# KiCad board ovc5.kicad_pcb (continued)
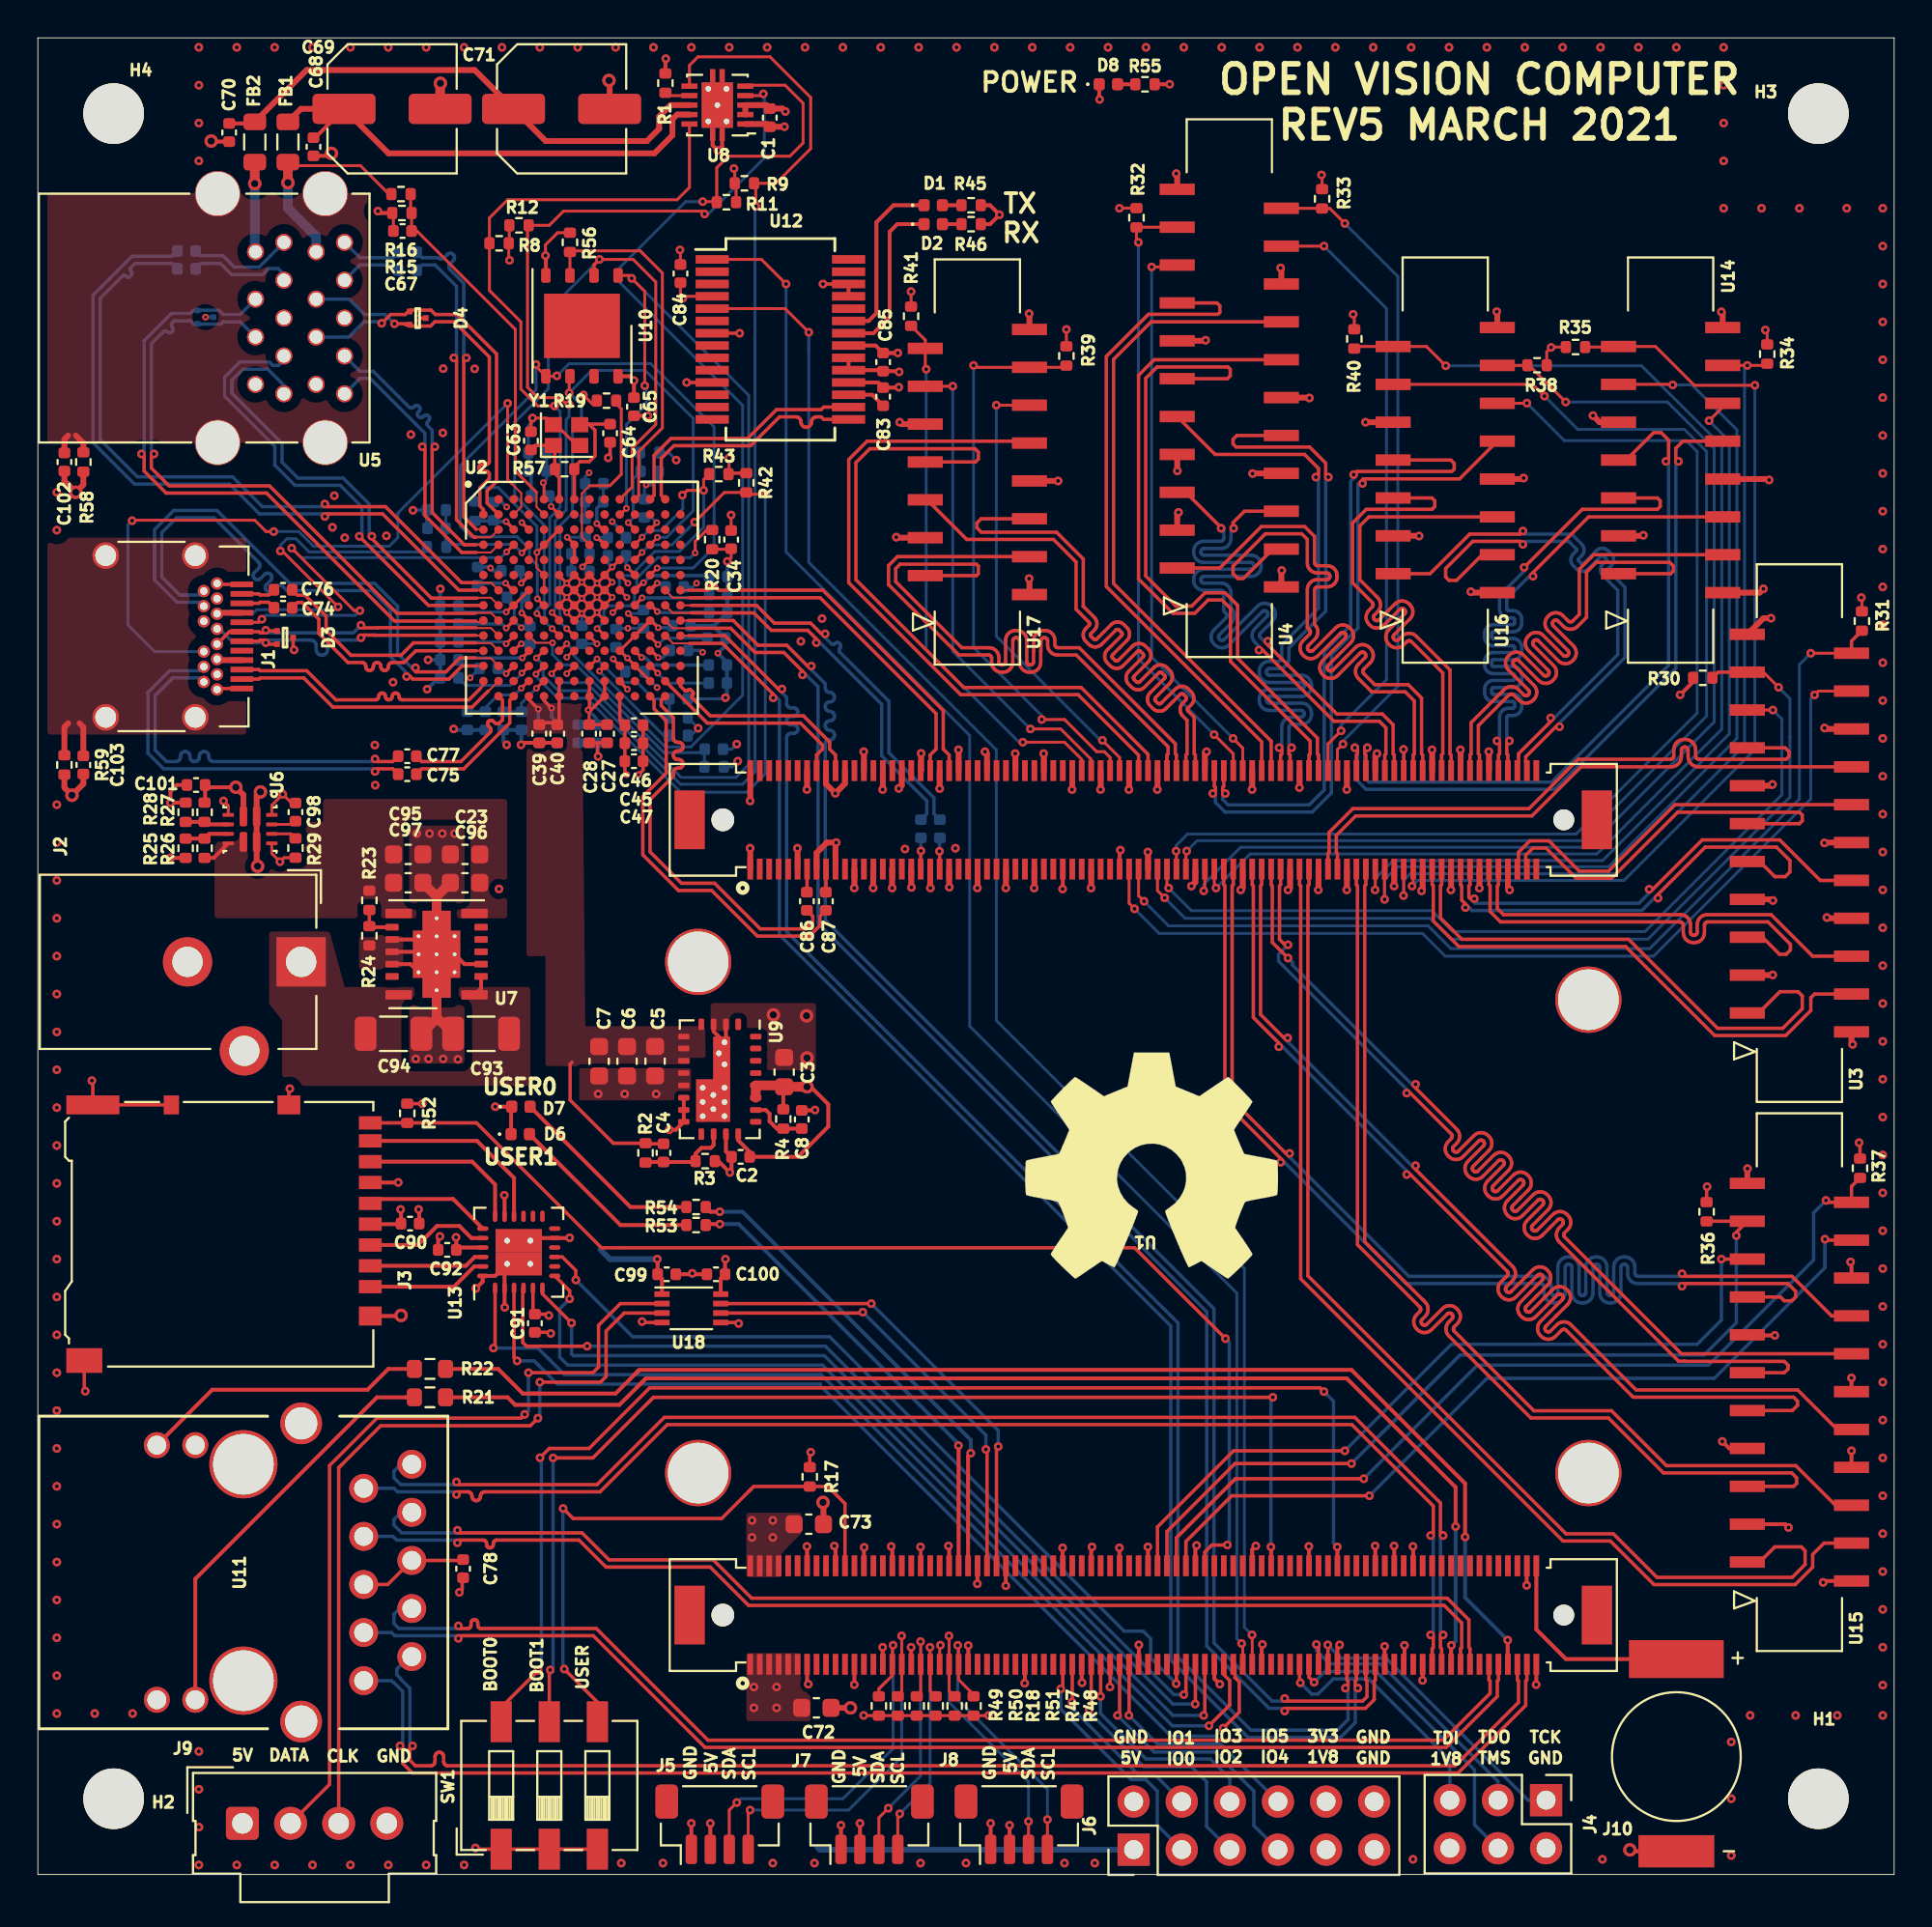
[diagram p0: board, top side]
## Footprints (pads in the part's own frame, mm; a bottom-side part is the same pattern mirrored in y, then rotated)
AMPHENOL_SFW15S
  rect 0.6x1.85 smd: 1(-7,-2.75) 2(-6,2.75) 3(-5,-2.75) 4(-4,2.75) 5(-3,-2.75) 6(-2,2.75) 7(-1,-2.75) 8(0,2.75) 9(1,-2.75) 10(2,2.75) 11(3,-2.75) 12(4,2.75) 13(5,-2.75) 14(6,2.75) 15(7,-2.75)
AMPHENOL_SFW22S
  rect 0.6x1.85 smd: 1(-10.5,-2.75) 2(-9.5,2.75) 3(-8.5,-2.75) 4(-7.5,2.75) 5(-6.5,-2.75) 6(-5.5,2.75) 7(-4.5,-2.75) 8(-3.5,2.75) 9(-2.5,-2.75) 10(-1.5,2.75) 11(-0.5,-2.75) 12(0.5,2.75) 13(1.5,-2.75) 14(2.5,2.75) 15(3.5,-2.75) 16(4.5,2.75) 17(5.5,-2.75) 18(6.5,2.75) 19(7.5,-2.75) 20(8.5,2.75) 21(9.5,-2.75) 22(10.5,2.75)
ARJ11C-MBSAS-A-BA-7MU2
  round 1.524 hole 1: 1(5.715,6.35) 2(4.445,8.89) 3(3.175,6.35) 4(1.905,8.89) 5(0.635,6.35) 6(-0.635,8.89) 7(-1.905,6.35) 8(-3.175,8.89) 9(-4.445,6.35) 10(-5.715,8.89)
  round 1.372 hole 1: 11(6.725,-2.54) 12(6.725,-4.57) 13(-6.725,-2.54) 14(-6.725,-4.57)
  round 3.6 hole 3.2: MNT(-5.715,0) MNT(5.715,0)
  round 2.2 hole 1.7: SHLD(-7.875,3.05) SHLD(7.875,3.05)
BarrelJack_CUI_PJ-102AH_Horizontal
  rect 2.6x2.6 hole 1.6: 1(0,0)
  round 2.6 hole 1.6: 2(0,-6) 3(4.7,-3)
BGA-192_14x14_12.0x12.0mm
  round 0.45 smd: A2(-4.4,5.2) A3(-3.6,5.2) A4(-2.8,5.2) A5(-2,5.2) A6(-1.2,5.2) A7(-0.4,5.2) A8(0.4,5.2) A9(1.2,5.2) A10(2,5.2) A11(2.8,5.2) A12(3.6,5.2) A13(4.4,5.2) B1(-5.2,4.4) B2(-4.4,4.4) B3(-3.6,4.4) B4(-2.8,4.4) B5(-2,4.4) B6(-1.2,4.4) B7(-0.4,4.4) B8(0.4,4.4) B9(1.2,4.4) B10(2,4.4) B11(2.8,4.4) B12(3.6,4.4) B13(4.4,4.4) B14(5.2,4.4) C1(-5.2,3.6) C2(-4.4,3.6) C3(-3.6,3.6) C4(-2.8,3.6) C5(-2,3.6) C6(-1.2,3.6) C7(-0.4,3.6) C8(0.4,3.6) C9(1.2,3.6) C10(2,3.6) C11(2.8,3.6) C12(3.6,3.6) C13(4.4,3.6) C14(5.2,3.6) D1(-5.2,2.8) D2(-4.4,2.8) D3(-3.6,2.8) D4(-2.8,2.8) D5(-2,2.8) D6(-1.2,2.8) D7(-0.4,2.8) D8(0.4,2.8) D9(1.2,2.8) D10(2,2.8) D11(2.8,2.8) D12(3.6,2.8) D13(4.4,2.8) D14(5.2,2.8) E1(-5.2,2) E2(-4.4,2) E3(-3.6,2) E4(-2.8,2) E5(-2,2) E6(-1.2,2) E7(-0.4,2) E8(0.4,2) E9(1.2,2) E10(2,2) E11(2.8,2) E12(3.6,2) E13(4.4,2) E14(5.2,2) F1(-5.2,1.2) F2(-4.4,1.2) F3(-3.6,1.2) F4(-2.8,1.2) F5(-2,1.2) F6(-1.2,1.2) F7(-0.4,1.2) F8(0.4,1.2) F9(1.2,1.2) F10(2,1.2) F11(2.8,1.2) F12(3.6,1.2) F13(4.4,1.2) F14(5.2,1.2) G1(-5.2,0.4) G2(-4.4,0.4) G3(-3.6,0.4) G4(-2.8,0.4) G5(-2,0.4) G6(-1.2,0.4) G7(-0.4,0.4) G8(0.4,0.4) G9(1.2,0.4) G10(2,0.4) G11(2.8,0.4) G12(3.6,0.4) G13(4.4,0.4) G14(5.2,0.4) H1(-5.2,-0.4) H2(-4.4,-0.4) H3(-3.6,-0.4) H4(-2.8,-0.4) H5(-2,-0.4) H6(-1.2,-0.4) H7(-0.4,-0.4) H8(0.4,-0.4) H9(1.2,-0.4) H10(2,-0.4) H11(2.8,-0.4) H12(3.6,-0.4) H13(4.4,-0.4) H14(5.2,-0.4) J1(-5.2,-1.2) J2(-4.4,-1.2) J3(-3.6,-1.2) J4(-2.8,-1.2) J5(-2,-1.2) J6(-1.2,-1.2) J7(-0.4,-1.2) J8(0.4,-1.2) J9(1.2,-1.2) J10(2,-1.2) J11(2.8,-1.2) J12(3.6,-1.2) J13(4.4,-1.2) J14(5.2,-1.2) K1(-5.2,-2) K2(-4.4,-2) K3(-3.6,-2) K4(-2.8,-2) K5(-2,-2) K6(-1.2,-2) K7(-0.4,-2) K8(0.4,-2) K9(1.2,-2) K10(2,-2) K11(2.8,-2) K12(3.6,-2) K13(4.4,-2) K14(5.2,-2) L1(-5.2,-2.8) L2(-4.4,-2.8) L3(-3.6,-2.8) L4(-2.8,-2.8) L5(-2,-2.8) L6(-1.2,-2.8) L7(-0.4,-2.8) L8(0.4,-2.8) L9(1.2,-2.8) L10(2,-2.8) L11(2.8,-2.8) L12(3.6,-2.8) L13(4.4,-2.8) L14(5.2,-2.8) M1(-5.2,-3.6) M2(-4.4,-3.6) M3(-3.6,-3.6) M4(-2.8,-3.6) M5(-2,-3.6) M6(-1.2,-3.6) M7(-0.4,-3.6) M8(0.4,-3.6) M9(1.2,-3.6) M10(2,-3.6) M11(2.8,-3.6) M12(3.6,-3.6) M13(4.4,-3.6) M14(5.2,-3.6) N1(-5.2,-4.4) N2(-4.4,-4.4) N3(-3.6,-4.4) N4(-2.8,-4.4) N5(-2,-4.4) N6(-1.2,-4.4) N7(-0.4,-4.4) N8(0.4,-4.4) N9(1.2,-4.4) N10(2,-4.4) N11(2.8,-4.4) N12(3.6,-4.4) N13(4.4,-4.4) N14(5.2,-4.4) P2(-4.4,-5.2) P3(-3.6,-5.2) P4(-2.8,-5.2) P5(-2,-5.2) P6(-1.2,-5.2) P7(-0.4,-5.2) P8(0.4,-5.2) P9(1.2,-5.2) P10(2,-5.2) P11(2.8,-5.2) P12(3.6,-5.2) P13(4.4,-5.2)
C_0402_1005Metric
  rrect 0.56x0.62 smd: 1(-0.48,0) 2(0.48,0)
C_0603_1608Metric
  rrect 0.9x0.95 smd: 1(-0.775,0) 2(0.775,0)
C_1206_3216Metric
  rrect 1.15x1.8 smd: 1(-1.475,0) 2(1.475,0)
C_Elec_6.3x7.7
  rrect 3.325x1.6 smd: 1(-2.538,0) 2(2.538,0)
Converter_DCDC_Intel_QFN-24_4x6mm_P0.65mm_ThermalVias
  rect 1.9x0.9 smd: (-1.3,0.1)
  rect 0.9x0.57 smd: (-1.2,0.1)
  rect 0.7x0.9 smd: (0.65,-0.35) (1.65,-0.35)
  rect 2.25x1.8 smd: (1.125,-0.35)
  rrect 0.6x0.3 smd: 1(-2.9,0.975) 2(-2.9,0.325) 3(-2.9,-0.325) 4(-2.9,-0.975) 13(2.9,-0.975) 14(2.9,-0.325) 15(2.9,0.325) 16(2.9,0.975)
  rrect 0.3x0.6 smd: 5(-2.25,-1.9) 6(-1.625,-1.9) 7(-0.975,-1.9) 8(-0.325,-1.9) 9(0.325,-1.9) 10(0.975,-1.9) 11(1.625,-1.9) 12(2.25,-1.9) 17(2.25,1.9) 18(1.625,1.9) 19(0.975,1.9) 20(0.325,1.9) 21(-0.325,1.9) 22(-0.975,1.9) 23(-1.625,1.9) 24(-2.25,1.9)
  round 0.6 hole 0.3: 25(-1.95,0.25) 25(-1.37,-0.05) 25(-0.79,0.25) 25(0.45,0.25) 25(0.45,-0.9) 25(0.83,-0.34) 25(1.2,0.25) 25(1.2,-0.9) 25(1.58,-0.34) 25(1.95,0.25) 25(1.95,-0.9)
  custom 4.5x1.8 smd: 25(1.125,-0.35)
Crystal_SMD_2016-4Pin_2.0x1.6mm
  rect 0.9x0.8 smd: 1(-0.7,-0.55) 2(0.7,-0.55) 3(0.7,0.55) 4(-0.7,0.55)
ELNA_DSK-3R3H224U-HL
  rect 4x1.7 smd: 1(0,-5)
  rect 5x2 smd: 2(0,5.15)
JST_SH_BM04B-SRSS-TB_1x04-1MP_P1.00mm_Vertical
  rrect 0.6x1.55 smd: 1(-1.5,-1.325) 2(-0.5,-1.325) 3(0.5,-1.325) 4(1.5,-1.325)
  rrect 1.2x1.8 smd: MP(-2.8,1.2) MP(2.8,1.2)
L_0805_2012Metric
  rrect 0.875x1.2 smd: 1(-1.062,0) 2(1.062,0)
LED_0402_1005Metric
  rrect 0.59x0.64 smd: 1(-0.485,0) 2(0.485,0)
Mercury_XU5
  round 1.1 hole 1.1 unplated: (-22.2,21) (-22.2,-21)
  round 1.2 hole 1.2 unplated: (22.2,21) (22.2,-21)
  rect 0.3x1.1 smd: A1(20.75,23.6) A2(20.75,18.4) A3(20.25,23.6) A4(20.25,18.4) A5(19.75,23.6) A6(19.75,18.4) A7(19.25,23.6) A8(19.25,18.4) A9(18.75,23.6) A10(18.75,18.4) A11(18.25,23.6) A12(18.25,18.4) A13(17.75,23.6) A14(17.75,18.4) A15(17.25,23.6) A16(17.25,18.4) A17(16.75,23.6) A18(16.75,18.4) A19(16.25,23.6) A20(16.25,18.4) A21(15.75,23.6) A22(15.75,18.4) A23(15.25,23.6) A24(15.25,18.4) A25(14.75,23.6) A26(14.75,18.4) A27(14.25,23.6) A28(14.25,18.4) A29(13.75,23.6) A30(13.75,18.4) A31(13.25,23.6) A32(13.25,18.4) A33(12.75,23.6) A34(12.75,18.4) A35(12.25,23.6) A36(12.25,18.4) A37(11.75,23.6) A38(11.75,18.4) A39(11.25,23.6) A40(11.25,18.4) A41(10.75,23.6) A42(10.75,18.4) A43(10.25,23.6) A44(10.25,18.4) A45(9.75,23.6) A46(9.75,18.4) A47(9.25,23.6) A48(9.25,18.4) A49(8.75,23.6) A50(8.75,18.4) A51(8.25,23.6) A52(8.25,18.4) A53(7.75,23.6) A54(7.75,18.4) A55(7.25,23.6) A56(7.25,18.4) A57(6.75,23.6) A58(6.75,18.4) A59(6.25,23.6) A60(6.25,18.4) A61(5.75,23.6) A62(5.75,18.4) A63(5.25,23.6) A64(5.25,18.4) A65(4.75,23.6) A66(4.75,18.4) A67(4.25,23.6) A68(4.25,18.4) A69(3.75,23.6) A70(3.75,18.4) A71(3.25,23.6) A72(3.25,18.4) A73(2.75,23.6) A74(2.75,18.4) A75(2.25,23.6) A76(2.25,18.4) A77(1.75,23.6) A78(1.75,18.4) A79(1.25,23.6) A80(1.25,18.4) A81(0.75,23.6) A82(0.75,18.4) A83(0.25,23.6) A84(0.25,18.4) A85(-0.25,23.6) A86(-0.25,18.4) A87(-0.75,23.6) A88(-0.75,18.4) A89(-1.25,23.6) A90(-1.25,18.4) A91(-1.75,23.6) A92(-1.75,18.4) A93(-2.25,23.6) A94(-2.25,18.4) A95(-2.75,23.6) A96(-2.75,18.4) A97(-3.25,23.6) A98(-3.25,18.4) A99(-3.75,23.6) A100(-3.75,18.4) A101(-4.25,23.6) A102(-4.25,18.4) A103(-4.75,23.6) A104(-4.75,18.4) A105(-5.25,23.6) A106(-5.25,18.4) A107(-5.75,23.6) A108(-5.75,18.4) A109(-6.25,23.6) A110(-6.25,18.4) A111(-6.75,23.6) A112(-6.75,18.4) A113(-7.25,23.6) A114(-7.25,18.4) A115(-7.75,23.6) A116(-7.75,18.4) A117(-8.25,23.6) A118(-8.25,18.4) A119(-8.75,23.6) A120(-8.75,18.4) A121(-9.25,23.6) A122(-9.25,18.4) A123(-9.75,23.6) A124(-9.75,18.4) A125(-10.25,23.6) A126(-10.25,18.4) A127(-10.75,23.6) A128(-10.75,18.4) A129(-11.25,23.6) A130(-11.25,18.4) A131(-11.75,23.6) A132(-11.75,18.4) A133(-12.25,23.6) A134(-12.25,18.4) A135(-12.75,23.6) A136(-12.75,18.4) A137(-13.25,23.6) A138(-13.25,18.4) A139(-13.75,23.6) A140(-13.75,18.4) A141(-14.25,23.6) A142(-14.25,18.4) A143(-14.75,23.6) A144(-14.75,18.4) A145(-15.25,23.6) A146(-15.25,18.4) A147(-15.75,23.6) A148(-15.75,18.4) A149(-16.25,23.6) A150(-16.25,18.4) A151(-16.75,23.6) A152(-16.75,18.4) A153(-17.25,23.6) A154(-17.25,18.4) A155(-17.75,23.6) A156(-17.75,18.4) A157(-18.25,23.6) A158(-18.25,18.4) A159(-18.75,23.6) A160(-18.75,18.4) A161(-19.25,23.6) A162(-19.25,18.4) A163(-19.75,23.6) A164(-19.75,18.4) A165(-20.25,23.6) A166(-20.25,18.4) A167(-20.75,23.6) A168(-20.75,18.4) B1(20.75,-18.4) B2(20.75,-23.6) B3(20.25,-18.4) B4(20.25,-23.6) B5(19.75,-18.4) B6(19.75,-23.6) B7(19.25,-18.4) B8(19.25,-23.6) B9(18.75,-18.4) B10(18.75,-23.6) B11(18.25,-18.4) B12(18.25,-23.6) B13(17.75,-18.4) B14(17.75,-23.6) B15(17.25,-18.4) B16(17.25,-23.6) B17(16.75,-18.4) B18(16.75,-23.6) B19(16.25,-18.4) B20(16.25,-23.6) B21(15.75,-18.4) B22(15.75,-23.6) B23(15.25,-18.4) B24(15.25,-23.6) B25(14.75,-18.4) B26(14.75,-23.6) B27(14.25,-18.4) B28(14.25,-23.6) B29(13.75,-18.4) B30(13.75,-23.6) B31(13.25,-18.4) B32(13.25,-23.6) B33(12.75,-18.4) B34(12.75,-23.6) B35(12.25,-18.4) B36(12.25,-23.6) B37(11.75,-18.4) B38(11.75,-23.6) B39(11.25,-18.4) B40(11.25,-23.6) B41(10.75,-18.4) B42(10.75,-23.6) B43(10.25,-18.4) B44(10.25,-23.6) B45(9.75,-18.4) B46(9.75,-23.6) B47(9.25,-18.4) B48(9.25,-23.6) B49(8.75,-18.4) B50(8.75,-23.6) B51(8.25,-18.4) B52(8.25,-23.6) B53(7.75,-18.4) B54(7.75,-23.6) B55(7.25,-18.4) B56(7.25,-23.6) B57(6.75,-18.4) B58(6.75,-23.6) B59(6.25,-18.4) B60(6.25,-23.6) B61(5.75,-18.4) B62(5.75,-23.6) B63(5.25,-18.4) B64(5.25,-23.6) B65(4.75,-18.4) B66(4.75,-23.6) B67(4.25,-18.4) B68(4.25,-23.6) B69(3.75,-18.4) B70(3.75,-23.6) B71(3.25,-18.4) B72(3.25,-23.6) B73(2.75,-18.4) B74(2.75,-23.6) B75(2.25,-18.4) B76(2.25,-23.6) B77(1.75,-18.4) B78(1.75,-23.6) B79(1.25,-18.4) B80(1.25,-23.6) B81(0.75,-18.4) B82(0.75,-23.6) B83(0.25,-18.4) B84(0.25,-23.6) B85(-0.25,-18.4) B86(-0.25,-23.6) B87(-0.75,-18.4) B88(-0.75,-23.6) B89(-1.25,-18.4) B90(-1.25,-23.6) B91(-1.75,-18.4) B92(-1.75,-23.6) B93(-2.25,-18.4) B94(-2.25,-23.6) B95(-2.75,-18.4) B96(-2.75,-23.6) B97(-3.25,-18.4) B98(-3.25,-23.6) B99(-3.75,-18.4) B100(-3.75,-23.6) B101(-4.25,-18.4) B102(-4.25,-23.6) B103(-4.75,-18.4) B104(-4.75,-23.6) B105(-5.25,-18.4) B106(-5.25,-23.6) B107(-5.75,-18.4) B108(-5.75,-23.6) B109(-6.25,-18.4) B110(-6.25,-23.6) B111(-6.75,-18.4) B112(-6.75,-23.6) B113(-7.25,-18.4) B114(-7.25,-23.6) B115(-7.75,-18.4) B116(-7.75,-23.6) B117(-8.25,-18.4) B118(-8.25,-23.6) B119(-8.75,-18.4) B120(-8.75,-23.6) B121(-9.25,-18.4) B122(-9.25,-23.6) B123(-9.75,-18.4) B124(-9.75,-23.6) B125(-10.25,-18.4) B126(-10.25,-23.6) B127(-10.75,-18.4) B128(-10.75,-23.6) B129(-11.25,-18.4) B130(-11.25,-23.6) B131(-11.75,-18.4) B132(-11.75,-23.6) B133(-12.25,-18.4) B134(-12.25,-23.6) B135(-12.75,-18.4) B136(-12.75,-23.6) B137(-13.25,-18.4) B138(-13.25,-23.6) B139(-13.75,-18.4) B140(-13.75,-23.6) B141(-14.25,-18.4) B142(-14.25,-23.6) B143(-14.75,-18.4) B144(-14.75,-23.6) B145(-15.25,-18.4) B146(-15.25,-23.6) B147(-15.75,-18.4) B148(-15.75,-23.6) B149(-16.25,-18.4) B150(-16.25,-23.6) B151(-16.75,-18.4) B152(-16.75,-23.6) B153(-17.25,-18.4) B154(-17.25,-23.6) B155(-17.75,-18.4) B156(-17.75,-23.6) B157(-18.25,-18.4) B158(-18.25,-23.6) B159(-18.75,-18.4) B160(-18.75,-23.6) B161(-19.25,-18.4) B162(-19.25,-23.6) B163(-19.75,-18.4) B164(-19.75,-23.6) B165(-20.25,-18.4) B166(-20.25,-23.6) B167(-20.75,-18.4) B168(-20.75,-23.6)
  rect 1.6x3.1 smd: AM1(23.95,21) AM2(-23.95,21) BM1(23.95,-21) BM2(-23.95,-21)
  round 3.5 hole 3.2: H1(23.5,13.5) H2(-23.5,13.5) H3(23.5,-13.5) H4(-23.5,-11.5)
microSD_HC_Hirose_DM3AT-SF-PEJM5
  rect 0.7x1.2 smd: 1(2.775,7.725) 2(1.675,7.725) 3(0.575,7.725) 4(-0.525,7.725) 5(-1.625,7.725) 6(-2.725,7.725) 7(-3.825,7.725) 8(-4.925,7.725) 9(-5.875,7.725)
  rect 1x0.8 smd: 10(-6.825,-2.775)
  rect 1x1.2 smd: 11(-6.825,3.425) 11(4.325,7.725)
  rect 1x2.8 smd: 11(-6.825,-6.925)
  rect 1.3x1.9 smd: 11(6.675,-7.375)
Molex_SL_171971-0004_1x04_P2.54mm_Vertical
  rrect 1.74x1.74 hole 1.09: 1(0,0)
  round 1.74 hole 1.09: 2(2.54,0) 3(5.08,0) 4(7.62,0)
MountingHole_3.2mm_M3
  round 3.2 hole 3.2 unplated: (0,0)
PinHeader_2x03_P2.54mm_Vertical
  rect 1.7x1.7 hole 1: 1(0,0)
  oval 1.7x1.7 hole 1: 2(2.54,0) 3(0,-2.54) 4(2.54,-2.54) 5(0,-5.08) 6(2.54,-5.08)
PinHeader_2x06_P2.54mm_Vertical
  rect 1.7x1.7 hole 1: 1(0,0)
  oval 1.7x1.7 hole 1: 2(2.54,0) 3(0,-2.54) 4(2.54,-2.54) 5(0,-5.08) 6(2.54,-5.08) 7(0,-7.62) 8(2.54,-7.62) 9(0,-10.16) 10(2.54,-10.16) 11(0,-12.7) 12(2.54,-12.7)
R_0402_1005Metric
  rrect 0.54x0.64 smd: 1(-0.51,0) 2(0.51,0)
R_0603_1608Metric
  rrect 0.8x0.95 smd: 1(-0.825,0) 2(0.825,0)
SSOP-28_5.3x10.2mm_P0.65mm
  rect 1.75x0.45 smd: 1(-3.6,4.225) 2(-3.6,3.575) 3(-3.6,2.925) 4(-3.6,2.275) 5(-3.6,1.625) 6(-3.6,0.975) 7(-3.6,0.325) 8(-3.6,-0.325) 9(-3.6,-0.975) 10(-3.6,-1.625) 11(-3.6,-2.275) 12(-3.6,-2.925) 13(-3.6,-3.575) 14(-3.6,-4.225) 15(3.6,-4.225) 16(3.6,-3.575) 17(3.6,-2.925) 18(3.6,-2.275) 19(3.6,-1.625) 20(3.6,-0.975) 21(3.6,-0.325) 22(3.6,0.325) 23(3.6,0.975) 24(3.6,1.625) 25(3.6,2.275) 26(3.6,2.925) 27(3.6,3.575) 28(3.6,4.225)
SW_DIP_SPSTx03_Slide_6.7x9.18mm_W6.73mm_P2.54mm_LowProfile_JPin
  rect 2.16x1.12 smd: 1(-3.365,2.54) 2(-3.365,0) 3(-3.365,-2.54) 4(3.365,-2.54) 5(3.365,0) 6(3.365,2.54)
Texas_B3QFN-14-1EP_5x5.5mm_P0.65mm_ThermalVia
  rrect 0.95x0.65 smd: (-0.625,0.475) (-0.625,-0.475) (0.625,0.475) (0.625,-0.475)
  rrect 0.6x1.15 smd: (-0.425,1.675) (-0.425,-1.675) (0.425,1.675) (0.425,-1.675)
  rrect 1.4x0.5 smd: 1(-2,2.145) 7(-2,-2.155) 8(2,-2.155) 14(2,2.145)
  rrect 0.7x0.35 smd: 2(-2.35,1.17) 3(-2.35,0.52) 4(-2.35,-0.13) 5(-2.35,-0.78) 6(-2.35,-1.43) 9(2.35,-1.43) 10(2.35,-0.78) 11(2.35,-0.13) 12(2.35,0.52) 13(2.35,1.17)
  round 0.5 hole 0.2: 15(-0.95,0.95) 15(-0.95,0) 15(-0.95,-0.95) 15(0,1.9) 15(0,0.95) 15(0,0) 15(0,-0.95) 15(0,-1.9) 15(0.95,0.95) 15(0.95,0) 15(0.95,-0.95)
  custom 2.5x4.6 smd: 15(0,0)
Texas_VQFN-HR-12_2x2.5_Pitch0.5mm
  rrect 1.05x0.4 smd: 1(-0.675,0.35) 2(-0.675,-0.35) 7(0.675,-0.35) 8(0.675,0.35)
  rrect 0.2x0.6 smd: 3(-0.75,-1.15) 4(-0.25,-1.15) 5(0.25,-1.15) 6(0.75,-1.15) 9(0.75,1.15) 10(0.25,1.15) 11(-0.25,1.15) 12(-0.75,1.15)
TI_RTW0024B
  oval 0.6x0.24 smd: 1(-1.9,1.25) 2(-1.9,0.75) 3(-1.9,0.25) 4(-1.9,-0.25) 5(-1.9,-0.75) 6(-1.9,-1.25) 13(1.9,-1.25) 14(1.9,-0.75) 15(1.9,-0.25) 16(1.9,0.25) 17(1.9,0.75) 18(1.9,1.25)
  oval 0.24x0.6 smd: 7(-1.25,-1.9) 8(-0.75,-1.9) 9(-0.25,-1.9) 10(0.25,-1.9) 11(0.75,-1.9) 12(1.25,-1.9) 19(1.25,1.9) 20(0.75,1.9) 21(0.25,1.9) 22(-0.25,1.9) 23(-0.75,1.9) 24(-1.25,1.9)
  round 0.613 hole 0.306: 25(-0.613,0.613) 25(-0.613,-0.613) 25(0.613,0.613) 25(0.613,-0.613)
  rect 1.225x1.225 smd: 25(-0.613,0.613) 25(-0.613,-0.613) 25(0.613,0.613) 25(0.613,-0.613)
TPD2EUSB30x
  rect 0.3x0.3 smd: 1(-0.35,-0.425) 2(0.35,-0.425) 3(0,0.425)
USB3_A_Dual_Stacked
  round 0.9 hole 0.7: 1(1.29,3.5) 2(1.29,1) 3(1.29,-1) 4(1.29,-3.5) 5(2.79,-4) 6(2.79,-2) 7(2.79,0) 8(2.79,2) 9(2.79,4) 10(4.49,3.5) 11(4.49,1) 12(4.49,-1) 13(4.49,-3.5) 14(5.99,-4) 15(5.99,-2) 16(5.99,0) 17(5.99,2) 18(5.99,4)
  round 2.4 hole 2.3: S(-0.71,6.57) S(-0.71,-6.57) S(4.97,6.57) S(4.97,-6.57)
USB_C_Receptacle_Wurth_632723300011
  rect 0.3x1.2 smd: A1(-2.75,5.02) A2(-2.25,5.02) A3(-1.75,5.02) A4(-1.25,5.02) A5(-0.75,5.02) A6(-0.25,5.02) A7(0.25,5.02) A8(0.75,5.02) A9(1.25,5.02) A10(1.75,5.02) A11(2.25,5.02) A12(2.75,5.02)
  round 0.65 hole 0.4: B1(2,3.71) B1(2.8,3.71) B2(2.4,3.01) B3(1.6,3.01) B4(1.2,3.71) B5(0.8,3.01) B6(0.4,3.71) B7(-0.4,3.71) B8(-0.8,3.01) B9(-1.2,3.71) B10(-1.6,3.01) B11(-2.4,3.01) B12(-2.8,3.71) B12(-2,3.71)
  round 1.4 hole 1.1: S1(-4.27,2.56) S1(-4.27,-2.17) S1(4.27,2.56) S1(4.27,-2.17)
VSON-10-1EP_3x3mm_P0.5mm_EP1.65x2.4mm_ThermalVias
  rect 0.64x0.64 smd: (-0.48,0.86) (-0.48,0) (-0.48,-0.86) (0.48,0.86) (0.48,0) (0.48,-0.86)
  rect 0.85x0.28 smd: 1(-1.475,1) 2(-1.475,0.5) 3(-1.475,0) 4(-1.475,-0.5) 5(-1.475,-1) 6(1.475,-1) 7(1.475,-0.5) 8(1.475,0) 9(1.475,0.5) 10(1.475,1)
  round 0.6 hole 0.3: 11(-0.48,0.86) 11(-0.48,-0.86) 11(0,0) 11(0.48,0.86) 11(0.48,-0.86)
  rect 0.28x0.7 smd: 11(-0.25,1.55) 11(-0.25,-1.55) 11(0.25,1.55) 11(0.25,-1.55)
  rect 1.65x2.4 smd: 11(0,0)
  rect 1.65x2.4 smd far side: 11(0,0)
VSSOP-8_2.3x2mm_P0.5mm
  rect 0.8x0.3 smd: 1(-1.55,0.75) 2(-1.55,0.25) 3(-1.55,-0.25) 4(-1.55,-0.75) 5(1.55,-0.75) 6(1.55,-0.25) 7(1.55,0.25) 8(1.55,0.75)
WSON-8-1EP_6x5mm_P1.27mm_EP3.4x4mm
  rrect 1.37x1.61 smd: (-0.85,1) (-0.85,-1) (0.85,1) (0.85,-1)
  rrect 0.775x0.5 smd: 1(-2.663,1.905) 2(-2.663,0.635) 3(-2.663,-0.635) 4(-2.663,-1.905) 5(2.663,-1.905) 6(2.663,-0.635) 7(2.663,0.635) 8(2.663,1.905)
  rect 3.4x4 smd: 9(0,0)
